# KiCad board FPGA_dev_board.kicad_pcb (continued)
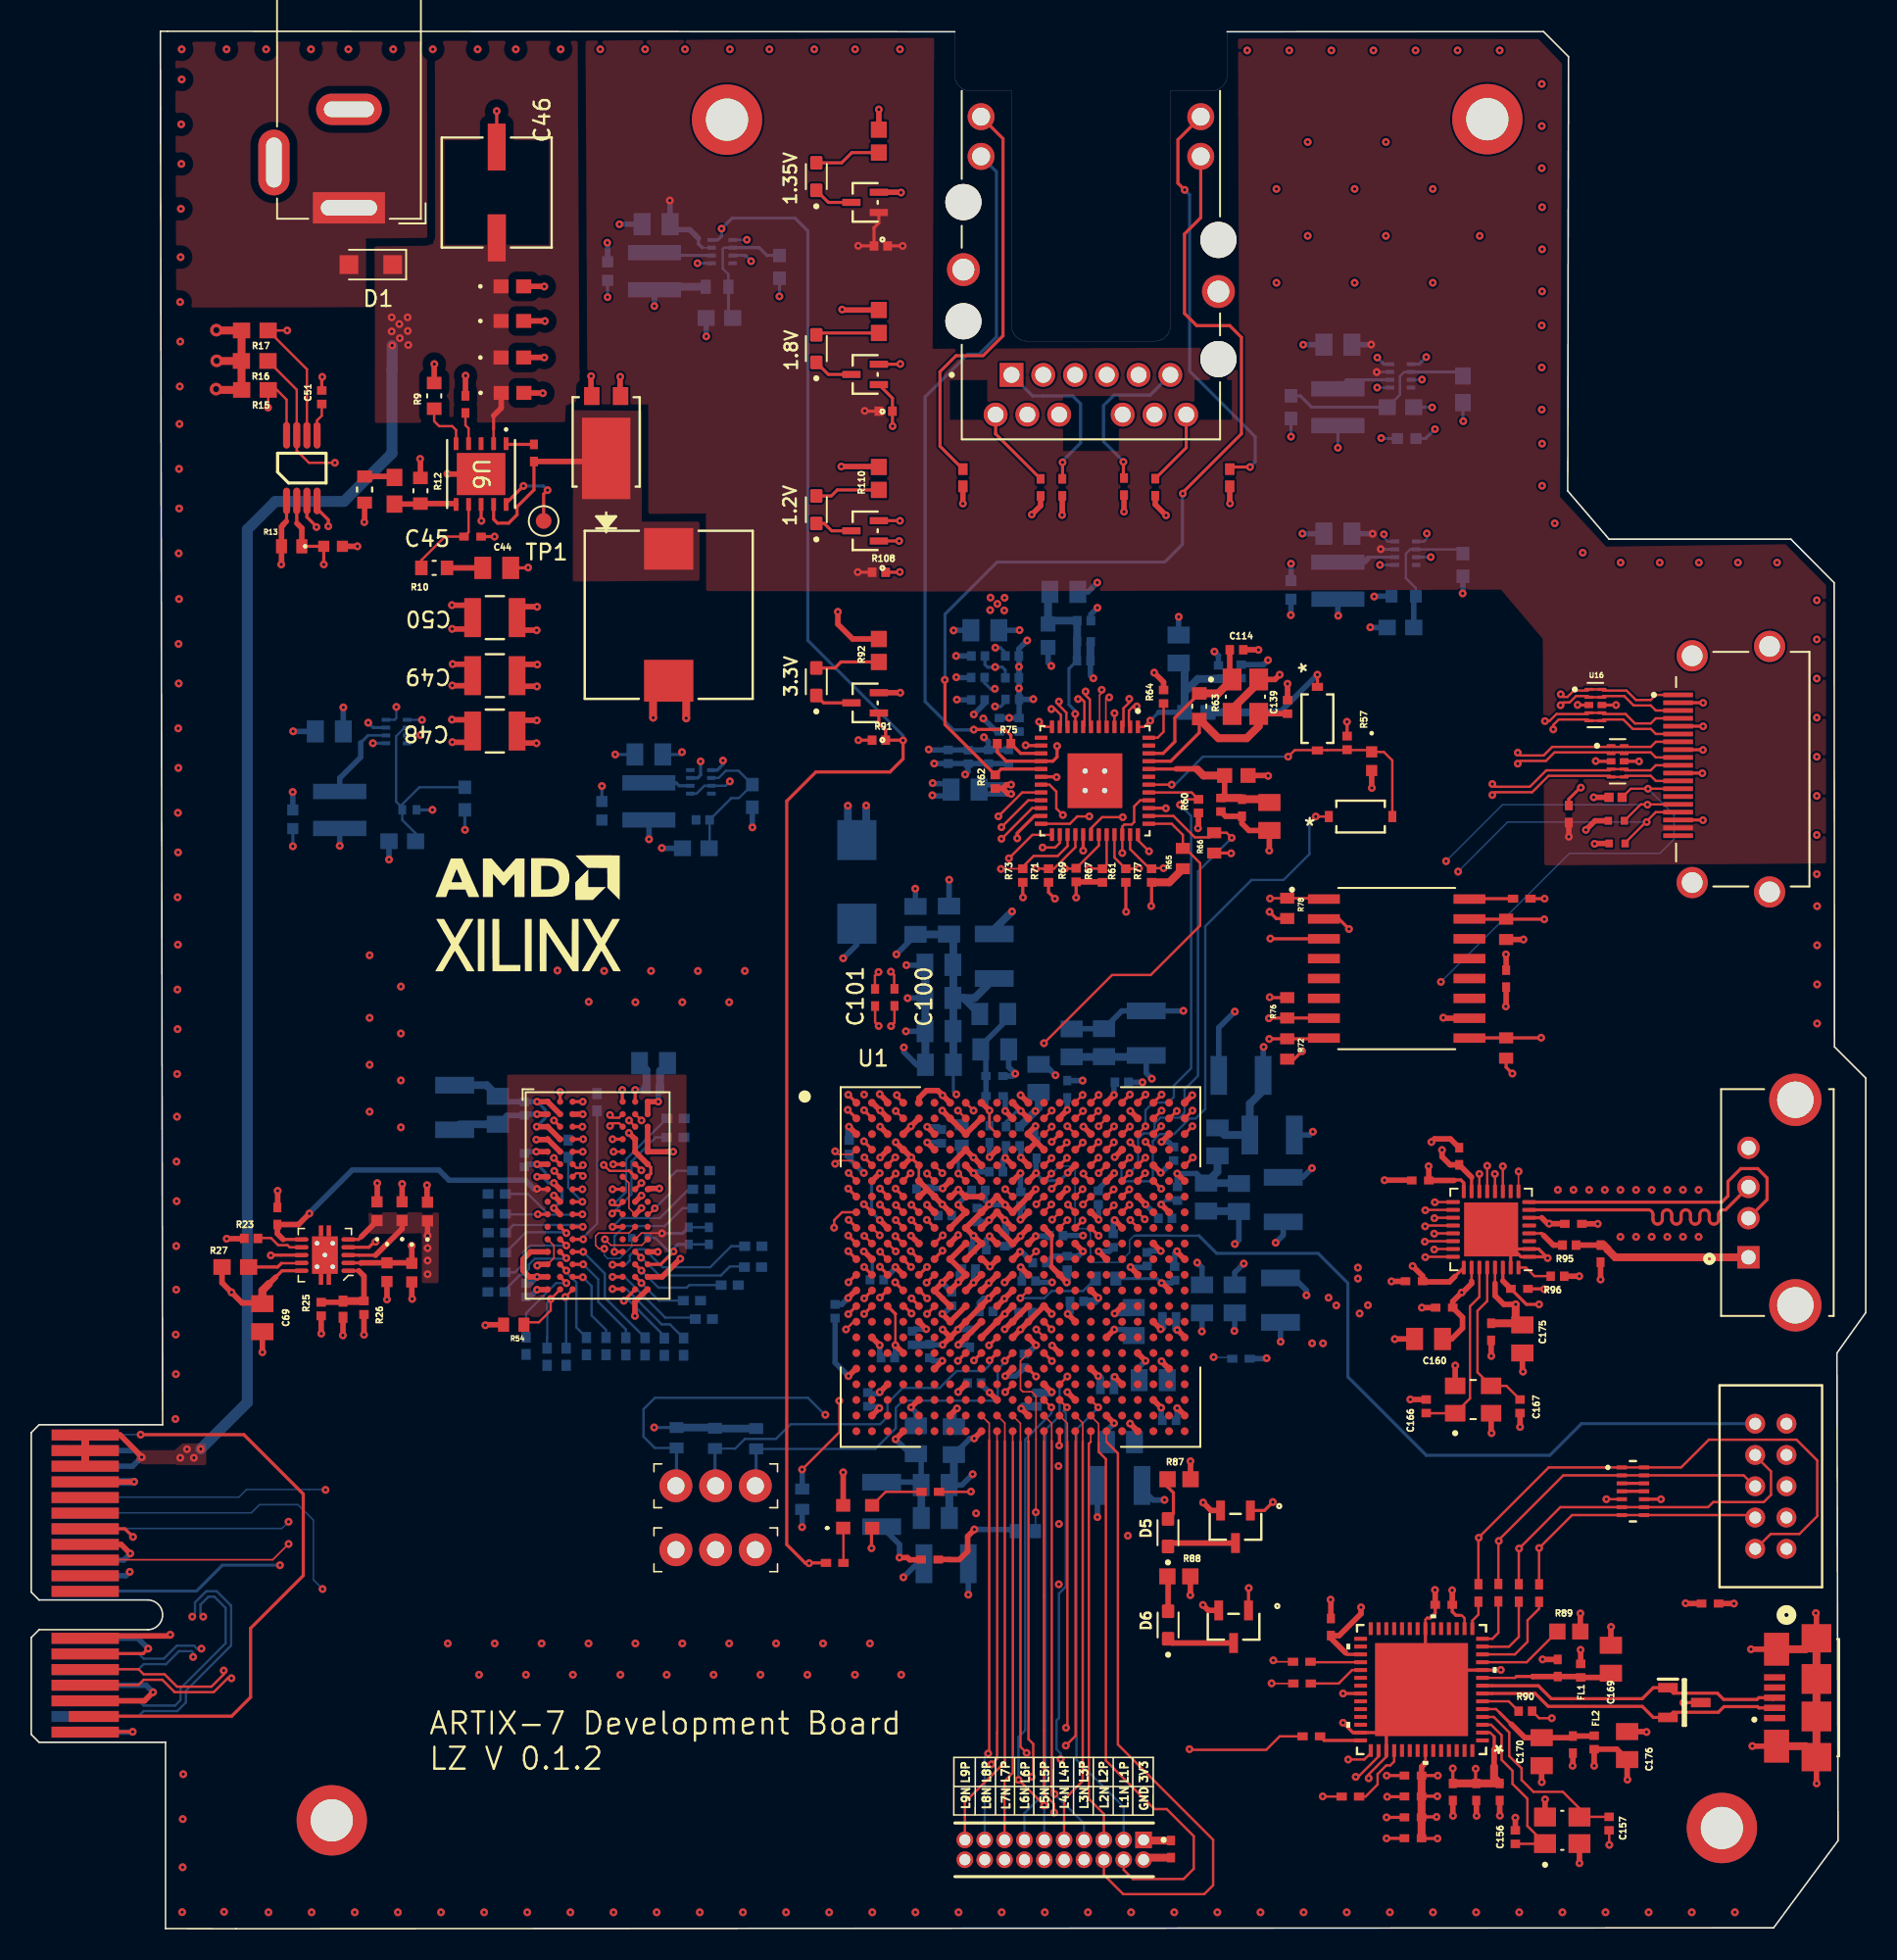
[diagram p0: board, top side]
## Routing (per net, layer and track width the routed paths; a pad name or vN(x,y) marks a point on that pad's centre or on a via; arc(x,y) is an arc through that point) (continued)
Net-(U2-FB): length 8.9
  Bottom w0.15: R1.2 88.55,85.73 87.92,86.36 87.92,87.91 88.21,88.2 U2.2 91.29,88.2 C32.2
  Bottom w0.35: R2.1 88.42,85.06 R1.2
Net-(U2-SW): length 3.8
  Bottom w0.2: U2.6 85.58,87.7 85.5,87.62
  Bottom w0.35: 85.5,87.62 85.26,87.38 L1.1
Net-(U3-FB): length 8.7
  Bottom w0.15: R4.1 43.38,69.11 R3.2 44.77,72.28 44.77,72.29 45.26,72.29 C33.2 45.23,74.04 44.43,74.04 43.97,73.58 U3.2
Net-(U3-SW): length 2.7
  Bottom w0.2: U3.6 41.44,73.08 41.26,73.26 L2.1
Net-(U4-TADJ): length 2.1
  Top w0.15: C51.1 18.58,96.74 18.28,96.44 U4.5
Net-(U5-FB): length 8.6
  Bottom w0.15: R5.2 44.58,105.78 44.22,106.15 44.22,107.39 44.32,107.49 U5.2
  Bottom w0.2: R5.2 44.58,103.26 R6.1 ; U5.2 46.55,107.49 47.05,106.98 C37.2
Net-(U5-SW): length 3.7
  Bottom w0.2: U5.6 40.05,106.98 L3.1
Net-(U6-BOOT): length 1.8
  Top w0.2: U6.1 30.42,94.91 C47.2
Net-(U6-COMP): length 6
  Top w0.15: U6.7 27.97,89.3 C45.1 26.46,89.01 24.95,87.5 R10.1
Net-(U6-RT/CLK): length 3.3
  Top w0.15: U6.5 27.17,95.82 26.92,96.07 26.09,96.07 25.77,96.39 R9.1
Net-(U6-SS/TR): length 2
  Top w0.15: C43.1 27.77,96.13 27.97,95.93 U6.4
Net-(U6-SW): length 11.3
  Top w0.2: U6.9 29.57,90.12 29.82,89.87 30.53,89.87 31.07,90.41 31.07,90.92 32.15,92 C47.1
  Top w0.35: CR1.1 36.57,93.81 C47.1
Net-(U7-FB): length 13
  Bottom w0.15: R18.1 24.58,70.04 23.73,70.89 R14.2 ; R14.2 23.73,71.67 23.33,72.07 23.33,76.25 23.88,76.8 U7.2 ; R14.2 23.73,71.89 24.82,72.98 C54.2
Net-(U7-SW): length 5.5
  Bottom w0.15: U7.6 21.54,76.3
  Bottom w0.2: 21.54,76.3 21.07,75.83
  Bottom w0.35: L5.1 19.73,73.57 21.07,74.91 21.07,75.83
Net-(U8-FB): length 13
  Bottom w0.15: R19.2 86.75,97.28 87.54,98.08 87.54,99.26 87.82,99.54 U8.2
  Bottom w0.2: R19.2 81.89,97.28 81.17,98.01 C57.2 ; U8.2 91.32,99.54 R20.1
Net-(U8-SW): length 3.6
  Bottom w0.2: L6.1 84.14,99.03 U8.6
Net-(U10-EN): length 2.8
  Top w0.1: 15.37,44.13 15.37,44.14 15.34,44.16
  Top w0.15: U10.7 16.53,43.57 16.39,43.71 15.79,43.71 15.37,44.13 ; 15.34,44.16 14.67,44.16
Net-(U10-PGOOD): length 3
  Top w0.1: U10.9 17.22,42.55
  Top w0.15: 17.22,42.55 16,42.55
  Top w0.2: 14.33,42.31 15.76,42.31 16,42.55
Net-(U10-REFIN): length 5.5
  Top w0.2: U10.1 20.94,42.07 ; 21.27,40.13 R26.2
  Top w0.35: C63.1 19.86,40.06 R25.2 ; R26.2 21.28,41.73 20.94,42.07
  Top w0.5: C63.1 21.27,40.13
Net-(U11-ISET): length 2.9
  Top w0.15: R64.1 72.42,76.53 72.04,76.15 U11.48
Net-(U12-CDBUS0): length 3
  Top w0.15: U12.32 82.03,17.04
Net-(U12-CDBUS1): length 3.5
  Top w0.15: R103.1 83.62,15.68 84.48,16.54 U12.33
Net-(U12-DDBUS0): length 2.7
  Top w0.2: U12.42 82.69,12.04 R105.1
Net-(U12-DDBUS1): length 4.3
  Top w0.15: R104.1 85.34,8.45 86.11,9.22 86.11,9.89 86.66,10.44 86.92,10.44 87.17,10.69 U12.46
Net-(U12-REF): length 2.6
  Top w0.15: U12.6 94.5,14.54 R90.2
Net-(U12-RESET#): length 5.6
  Top w0.15: U12.11 95.64,17.04 R89.2
Net-(U13-RBIAS): length 2.3
  Top w0.15: U13.32 95.6,42.27 96.14,41.73 97.17,41.73 R96.2
Net-(U13-VBUS): length 2.4
  Top w0.15: U13.4 96.53,44.46
  Top w0.2: 96.73,44.33 96.6,44.46 96.53,44.46
  Top w0.35: R95.2 97.35,43.71 96.73,44.33
Net-(Y4-TRI-STATE): length 2.2
  Top w0.15: Y4.1 51.95,25.6 R94.2
unconnected-(U14-Pad11): length 1.4
  Top w0.2: U14.4 U14.11
unconnected-(U14-Pad12): length 1.4
  Top w0.2: U14.3 U14.12

## Copper pours and planes (outline as drawn; the poured copper is in the pictures)
/Power Supply/12V_INPUT on Top: 21.41,103.68 9.27,103.65 9.21,120.65 25.31,120.67 25.33,108.11 21.4,108.07 21.41,107.69
GND on In1_GND.Cu: 58.26,120.53 58.26,117.01 62.26,116.97 62.33,101.21 73.36,101.11 73.29,117.13 76.73,117.17 76.74,120.84 96.68,120.79 97.87,119.53 97.78,104.57 97.81,91.74 100.7,88.37 112.45,88.33 114.86,85.97 114.79,56.02 115.26,36.79 115.2,5.88 111.26,0.53 9.19,0.55 8.97,12.5 6.07,12.53 6.14,18.9 8.22,18.93 8.79,19.59 8.82,21.34 5.96,21.33 6.12,31.99 8.71,32.01 9.26,120.53
GND on In3_GND.Cu: 9.26,120.53 58.17,120.29 58.19,117.1 62.27,117.11 62.34,101.19 73.32,101.19 73.35,117.17 76.77,117.21 76.79,121.12 96.36,120.88 97.8,119.55 97.86,91.67 100.73,88.27 112.41,88.23 114.92,85.92 114.95,48.82 115.08,23.43 114.91,6.45 111.21,0.52 9.18,0.45 9.11,12.16 6.16,12.18 6.25,18.95 8.25,18.95 8.79,19.55 8.81,21.35 5.96,21.33 6.09,32.01 8.72,32.02
GND on In6_GND.Cu: 9.22,120.66 58.79,120.99 58.8,117.16 62.43,117.16 62.43,101.24 73.26,101.18 73.31,117.22 76.66,117.22 76.75,121.1 96.41,121.02 97.89,119.58 97.92,104.69 97.91,96.54 97.9,91.7 100.68,88.38 112.22,88.41 114.89,85.89 115.26,5.78 111.25,0.5 9.31,0.67 9.23,12.18 6.11,12.15 6.15,18.94 8.33,19.04 8.81,19.54 8.82,21.29 5.96,21.3 6.08,32.01 8.68,32.02 9.05,120.67
VCC1V0 on Bottom: 35.41,74.64 39.05,74.68 39.07,72.2 50.63,72.14 50.57,66.14 60.74,66.12 60.71,62.05 63.22,62.05 63.23,58.85 61.88,58.88 61.48,58.89 61.82,46.51 61.8,45.76 62.74,45.75 62.8,43.7 64.52,43.7 64.49,38.77 61.8,38.76 61.83,36.73 58.7,36.72 58.7,38.81 57.73,38.8 57.69,46.69 57.09,46.7 56.55,46.7 56.59,61.7 56.59,61.87 52.86,61.92 50.01,59.68 46.17,59.75 46.13,67.49 35.47,67.5
VCC1V2 on Bottom: 64.04,76.27 64.04,75.22 58.76,75.34 58.75,83.69 62.02,86.86 66.14,86.88 66.17,76.25
VCC1V2 on In4_VCC.Cu: 59.75,88.27 70.71,88.27 70.57,75.72 81.06,75.7 81.02,70.9 73.03,70.91 72.65,70.92 72.04,70.94 71.58,70.94 71.59,70.28 70.46,70.3 65,70.32 65,66.72 61.48,66.73 61.48,72.1 63.22,72.1 63.22,74.02 66.27,74.02 66.27,76.15 64.48,76.15 64.48,75.26 63.13,75.26 63.12,76.25 59.72,76.23
VCC1V2 on In4_VCC.Cu: 90.52,94.14 90.53,97.79 79.58,97.79 79.53,93.8 79.56,90.59 79.56,88.45 79.57,88.27 70.28,88.27 70.29,86.96 81.7,86.95 82.14,86.95 82.15,94.16
VCC1V2 on In4_VCC.Cu: 54.99,50.91 63.2,50.92 63.22,52.87 64.35,52.88 64.4,64.54 61.58,64.52 61.59,66.72 61.57,66.78 61.61,71.28 53.22,71.22 53.23,66.26 60.86,66.26 60.87,61.99 53.61,61.99 53.6,57.24 55.04,53.95
VCC1V8 on In4_VCC.Cu: 91.79,49.83 94.51,49.81 94.54,40.7 94.54,40.39 95.79,40.4 95.8,35.06 87.04,35.05 87.03,40.65 90.81,40.68 90.82,41.35 91.71,41.35 91.71,42.88
VCC1V8 on In4_VCC.Cu: 86.91,21.66 87.04,36.07 89.51,36.03 89.43,13.05 94.35,13.1 94.37,8.22 90.7,8.22 90.7,10.57 84.77,10.57 83.19,10.56 83.19,12.34 84.45,12.34 84.58,21.66
VCC1V8 on In4_VCC.Cu: 57.87,45.69 57.86,46.96 57.87,47.97 55.01,47.99 55,50.65 63.41,50.64 63.42,52.57 64.67,52.57 64.67,55.39 89.44,55.4 89.49,82.22 79.84,82.23 79.82,85.69 93.53,85.69 93.49,53.56 93.48,49.37 87.69,49.4 87.68,51.83 87.7,53.99 65.65,53.96 65.66,51.84 63.77,51.82 63.74,44.6 65.58,44.61 65.6,39.06 62.67,39.07 62.68,36.91 58.73,36.91 58.73,38.91 57.85,38.91 57.86,41.25 57.87,43.42
VCC1V35 on In4_VCC.Cu: 15.4,74.55 39.23,74.54 39.21,71.08 45.96,71.2 52.87,71.26 52.89,65.91 60.55,65.93 60.57,62.34 53.28,62.33 53.3,57.17 54.78,53.89 54.72,47.75 57.61,47.73 57.62,38.98 57.62,38.69 58.49,38.69 58.5,36.6 60.65,36.6 60.65,33.94 60.63,30.79 60.61,27.26 58.61,27.26 58.61,21.08 52.76,21.07 52.8,33.55 36.19,33.55 36.19,30.16 17.6,30.04 17.68,55.95 17.67,68.34 15.46,68.35
VCC3V3 on In4_VCC.Cu: 9.56,74.58 14.94,74.59 14.91,67.76 17.16,67.77 17.12,29.58 36.62,29.73 36.62,33.14 52.4,33.12 52.42,20.71 58.98,20.73 58.98,26.92 60.68,26.92 60.95,26.93 60.95,36.7 62.91,36.7 62.93,38.77 65.83,38.8 65.8,44.87 63.91,44.87 63.96,51.67 65.88,51.64 65.88,53.68 85.85,53.74 87.44,53.73 87.43,53.17 87.44,52.13 87.46,51.53 87.47,49.16 91.53,49.15 91.5,41.58 90.64,41.58 90.64,40.86 86.86,40.87 86.69,21.91 84.96,21.91 84.35,21.89 84.27,12.53 82.96,12.56 82.93,10.35 90.46,10.37 90.47,7.99 94.61,8.01 94.61,13.33 89.66,13.33 89.71,34.91 95.98,34.91 95.97,40.61 94.74,40.61 94.73,50.09 93.79,50.09 93.75,64.28 93.79,85.93 79.56,85.92 79.56,81.99 89.24,81.99 89.26,55.62 64.69,55.66 64.68,64.81 61.8,64.81 61.8,66.45 65.29,66.45 65.27,70.08 71.87,70.07 71.86,70.65 81.31,70.63 81.31,75.99 70.92,76.01 70.95,86.68 82.42,86.63 82.42,93.88 90.77,93.91 90.8,98.02 79.34,98.02 79.32,88.54 59.45,88.54 59.52,76.03 62.93,76.03 62.93,75.06 64.66,75.06 64.66,76 66.14,76 66.14,74.21 63.02,74.21 63.01,72.3 61.28,72.3 61.28,71.5 60.16,71.5 59.68,71.49 58.4,71.49 56.93,71.48 56.93,73.28 57.19,112.05 39.05,112.13 39.03,107.73 52.25,107.77 52.17,82.52 34.36,82.39 34.4,106.51 34.38,120.83 58.79,120.94 58.79,117.39 58.82,117.18 62.43,117.17 62.41,101.21 73.13,101.14 73.22,117.11 76.82,117.17 76.87,120.79 96.57,121 97.96,119.49 97.8,104.64 97.81,91.77 100.7,88.33 112.14,88.47 114.84,85.85 114.76,55.82 114.88,18.3 114.92,6.22 111.14,0.67 9.26,0.43 9.31,12.21 9.3,12.42 9.13,21.28 5.99,21.26 5.91,25.1 5.99,26.89 6.06,32.01 8.58,32.04 8.99,74.57
VCC5V0 on Top: 35.45,120.72 57.75,120.9 57.65,101.02 77.25,101.1 77.18,120.85 96.4,120.82 97.91,119.25 97.78,91.55 100.73,88.37 112.2,88.52 114.79,85.91 114.79,68.11 96.77,67.99 96.67,82.47 94,85.62 57.88,85.5 43.16,85.53 43.15,90.49 39.47,90.46 39.46,97.46 35.57,97.46
VCC5V0 on In4_VCC.Cu: 8.92,120.75 33.92,120.84 33.92,84.45 33.94,81.96 52.53,82.13 52.54,90.92 52.56,90.81 52.56,100.39 52.6,108.23 39.63,108.21 39.61,111.55 49.16,111.56 52.8,111.55 56.69,111.58 56.68,82.95 56.64,71.66 39.68,71.63 39.7,75.05 9,75.03
/ddr3/VTT on Top: 21.55,45.82 26.08,45.8 26.05,41.28 24.98,41.27 24.98,44.18 24.97,44.47 21.64,44.41
/ddr3/VTT on Bottom: 28.68,47.57 29.78,47.57 29.76,40.19 29.76,39.05 31.12,37.32 32.17,37.31 42.16,37.32 42.24,38.6 42.24,39.69 42.27,42.03 44.9,42.05 44.9,44.7 42.83,45.62 42.81,48.97 41.13,50.19 41.09,51.64 41.07,52.1 34.76,52.11 34.79,49.89 33.21,49.9 33.22,52.76 33.21,54.64 44.89,54.48 46.24,53.3 46.32,45.85 47.82,45.13 47.8,36.67 46.59,35.08 28.7,35 27.77,36.04 27.74,41.05 23.98,41.09 23.98,47.56
PWR12V on Top: 7.08,30.6 9.17,30.6 9.68,31.04 10.98,31.04 11.19,31.05 11.19,29.64 9.32,29.64 9.2,29.7 7.13,29.69 6.72,29.85 6.72,30.46
PWR12V on Top: 25.38,107.7 25.7,107.72 25.74,120.71 35.02,120.71 35.11,97.43 34.18,97.42 34.18,96.33 28.74,96.3 21.97,96.27 21.98,102.97 21.95,107.66
PWR12V on Bottom: 22.72,101.08 22.72,103.41 22.99,103.66 24.15,103.66 24.32,103.67 24.51,103.51 24.51,101.01 23.44,99.82 22.76,99.85
PWR12V on Bottom: 10.72,31.07 9.71,31.07 9.18,30.62 9.19,29.76 9.19,29.63 10.68,29.66 11.22,30.29 11.2,31.1
VREFDQ on Top: 30.43,54.61 41.91,54.61 41.92,39.08 30.49,39.11
Net-(U6-SW) on Top: 34.66,97.09 39.06,97.06 39.05,89.97 42.74,89.97 42.74,86.19 34.63,86.14

## Text on the board
User.Comments: Finished Outer Copper: 1OZ	Inner Copper: 1OZ	Inner Residual Copper Ratio: 70% / Layer 	Material		Signal	Thickness	Thickness after lamination	Dk / 1		Copper		F.Cu		0.035		- / D1		2116				0.13		0.1195						4.27 / 2		Copper		GND		0.035		- / D2		FR4					0.23		-							4.6 / 3		Copper		In2		0.035		- / D3		7628				0.196		0.175						4.56 / 4		Copper		GND		0.035		- / D4		FR4					0.23		-							4.6 / 5		Copper		VCC1	0.035		- / D5		7628				0.196		0.175						4.56 / 6		Copper		In5		0.035		- / D6		FR4					0.23		-							4.6 / 7		Copper		GND		0.035		- / D7		2116				0.13		0.1195						4.27 / 8		Copper	B.Cu		0.035		- / PCB Thickness	1.622
F.Silkscreen: L9P | L9N | L8P | L8N | L7P | L7N | L6N | L6P | L5N | L5P | L4P | L4N | L3P | L3N | L2P | L2N | L1P | L1N | 3V3 | GND | 1.2V | 1.35V | 3.3V | 1.8V | ARTIX-7 Development Board / LZ V 0.1.2
